# Altium PCB Tag201_GangProgrammerRev2.PcbDoc (part 4 of 7)
Units mil, origin at the board's own origin, x right, y up, seen from the top; angles counter-clockwise.
Board outline 10400 x 10885 mil, 4 copper layers (Top Layer, VCC, GND, Bottom Layer), stack 67.2 mil thick; 831 components, 394 nets, 2486 pads, 638 vias.
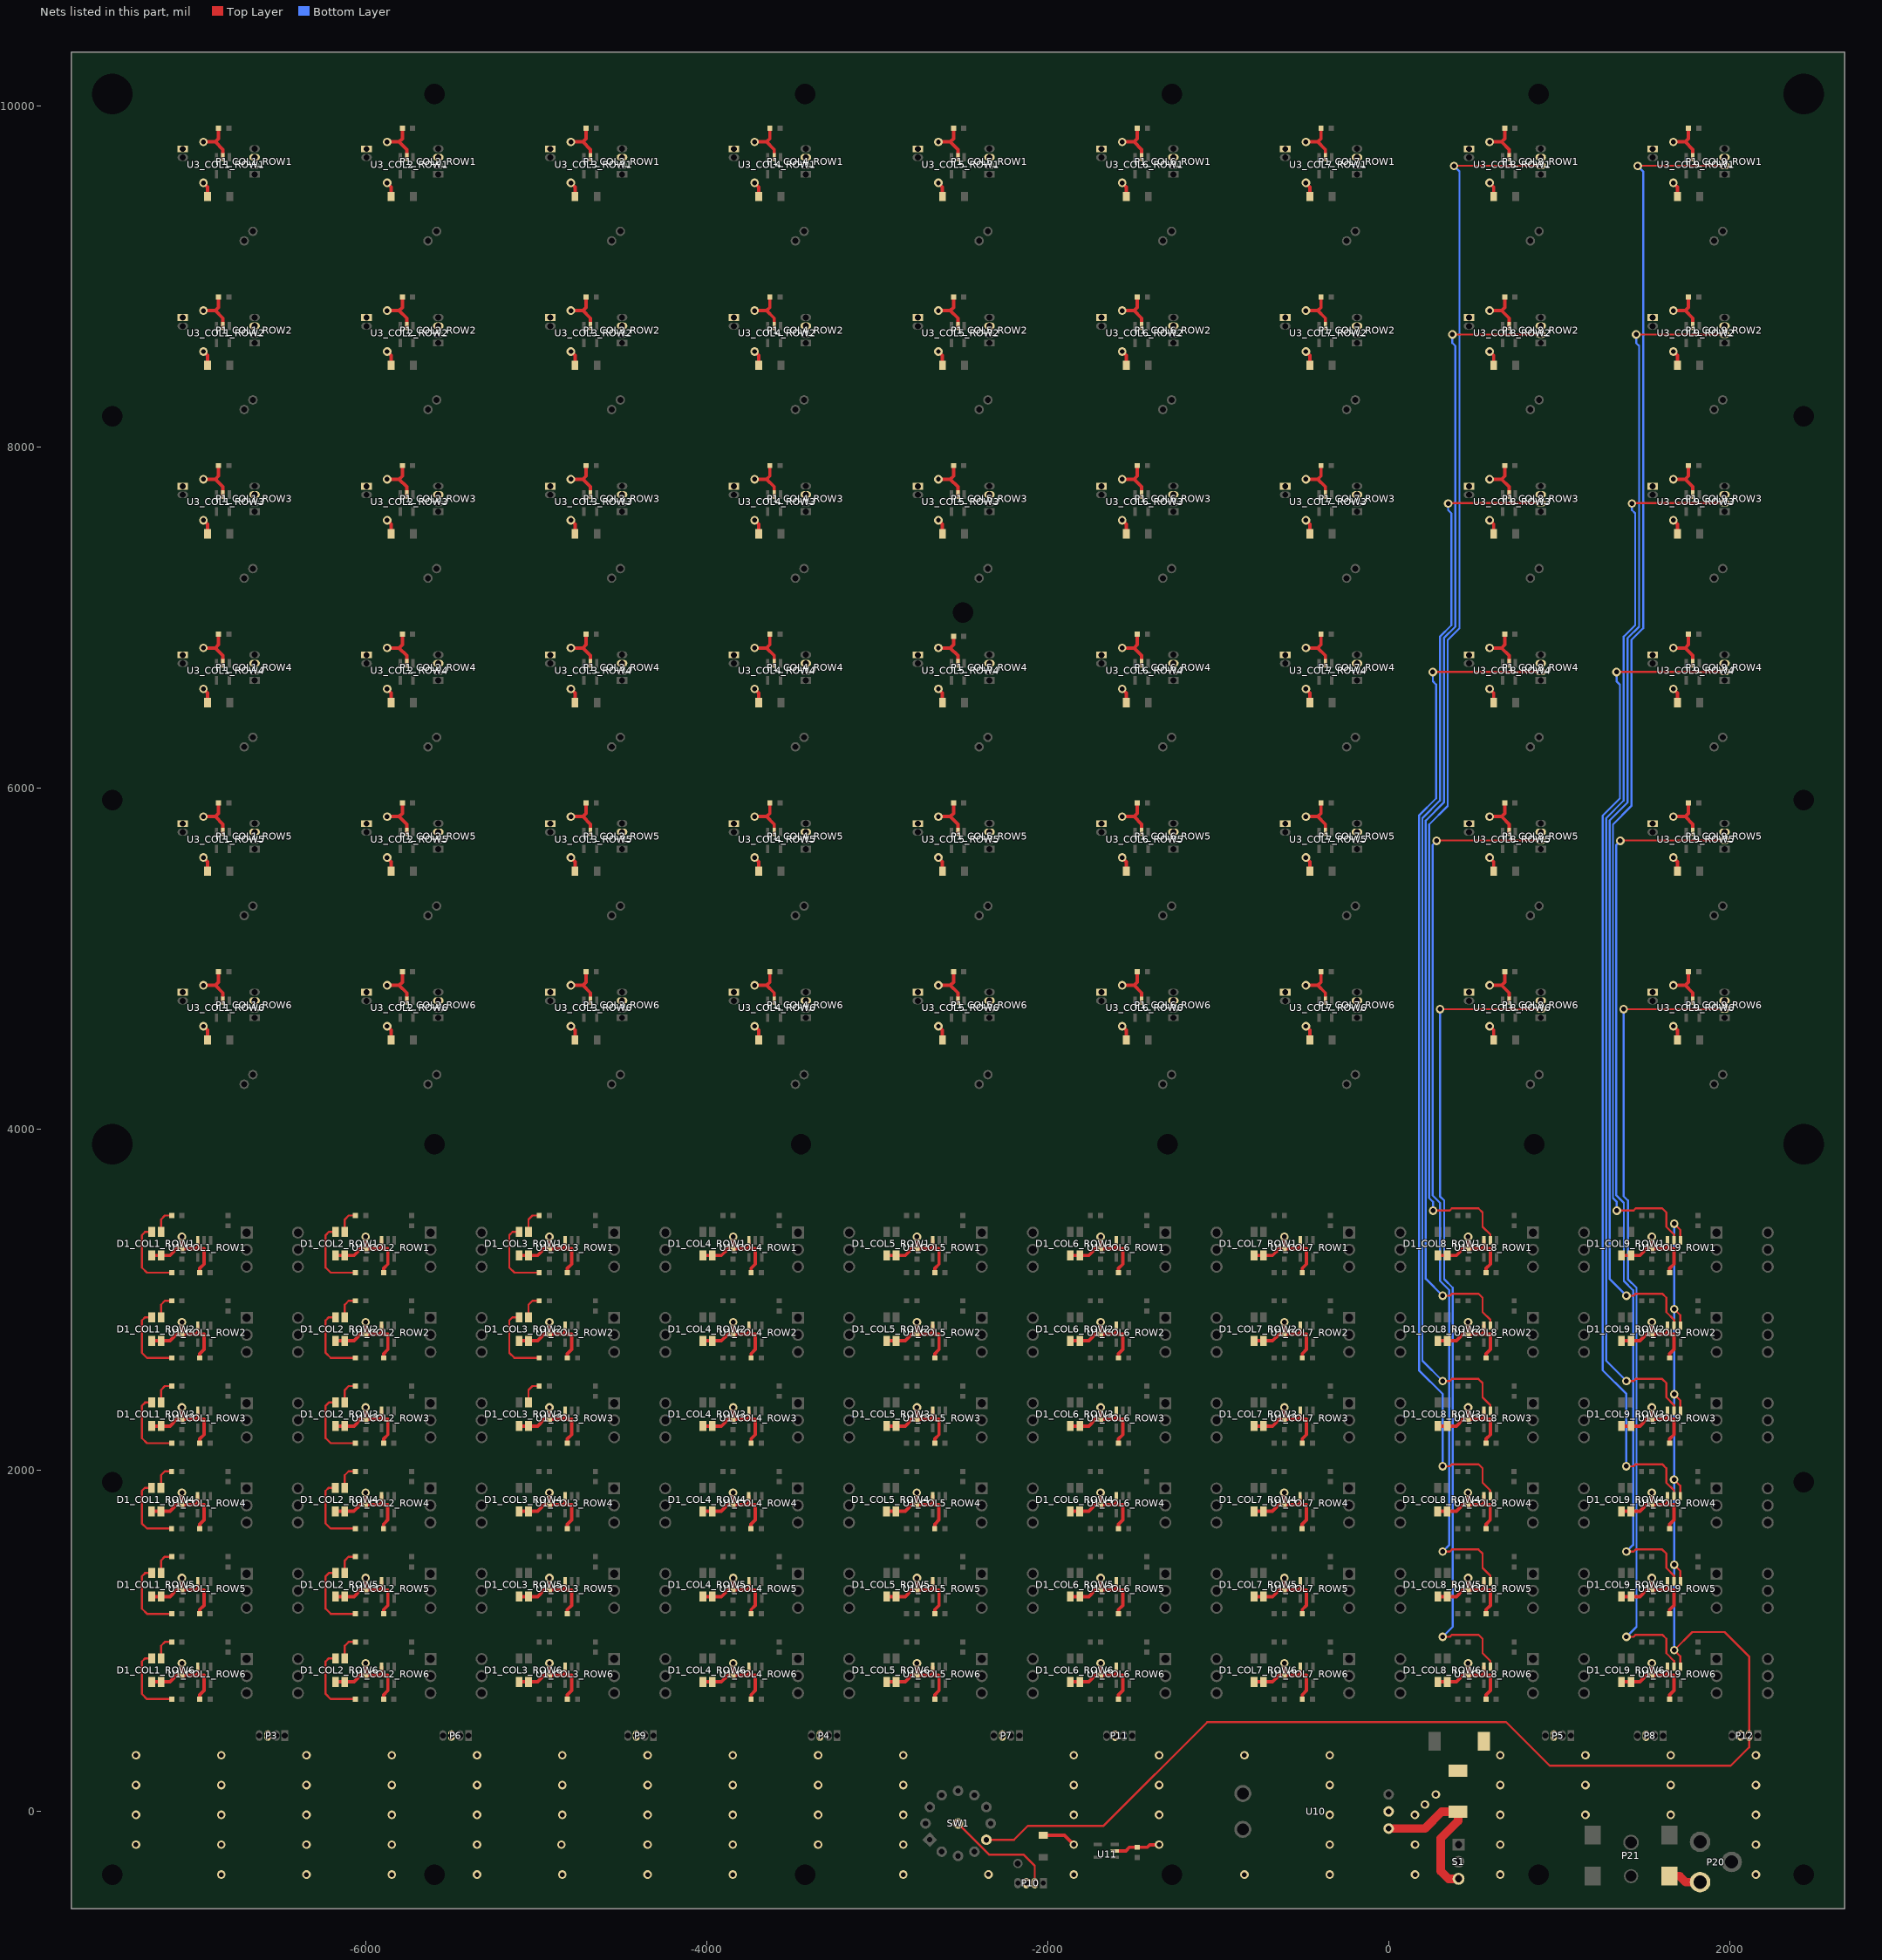
[diagram p6: the nets of this part, all layers, seen from the top]

## Via types
v1: diameter 50, hole 28, Top Layer to Bottom Layer, tented both sides, 638 vias

## Nets (pads, with @x,y where several pads share a name; then routed paths per layer and width w, separated by ;. In a path a pad name is that pad's centre, name@x,y a point inside that pad or via, vN(x,y) a via of type N, cw(c..) or ccw(c..) an arc to the next point about the centre after c; other vN are vias at no path point) (continued)
DEBUG_COL8_ROW1: P1_COL8_ROW1.2 U1_COL8_ROW1.2 | length 7217.1
  Top Layer w12: v1@260.5,3524 359,3524 371,3536 527,3536 551,3512 551,3428 596.5,3382.5 U1_COL8_ROW1.2@596.5,3349 ; v1@383,9649 P1_COL8_ROW1.2@892,9649
  Bottom Layer w12: v1(260.5,3523) 260.5,3574 238,3596.5 238,5787 346,5895 346,6868 415,6937 415,9616 v1(383,9648)
DEBUG_COL8_ROW2: P1_COL8_ROW2.2 U1_COL8_ROW2.2 | length 6704.5
  Top Layer w12: v1(317,3024) 359,3024 371,3036 527,3036 551,3012 551,2928 596.5,2882.5 U1_COL8_ROW2.2@596.5,2849 ; v1(374,8660) P1_COL8_ROW2.2@892,8660
  Bottom Layer w12: v1(317,3024) 218,3123 218,5810 324,5916 324,6880 391,6947 391,8593 374,8610 v1(374,8660)
DEBUG_COL8_ROW3: P1_COL8_ROW3.2 U1_COL8_ROW3.2 | length 6244.3
  Top Layer w12: v1(317,2524) 359,2524 371,2536 527,2536 551,2512 551,2428 596.5,2382.5 U1_COL8_ROW3.2@596.5,2349 ; v1@351,7671 P1_COL8_ROW3.2@892,7671
  Bottom Layer w12: v1(317,2524) 198,2643 198,5824 301,5927 301,6888 368,6955 368,7611 349,7630 v1(349,7669)
DEBUG_COL8_ROW4: P1_COL8_ROW4.2 U1_COL8_ROW4.2 | length 5827.2
  Top Layer w12: v1@260,6682 P1_COL8_ROW4.2@892,6682 ; v1(316.5,2024) 358.5,2024 370.5,2036 526.5,2036 550.5,2012 550.5,1928 596,1882.5 U1_COL8_ROW4.2@596,1849
  Bottom Layer w12: v1(259,6681) 259,6627 279,6607 279,5940 178,5839 178,2587 316.5,2448.5 v1(316.5,2024)
DEBUG_COL8_ROW5: P1_COL8_ROW5.2 U1_COL8_ROW5.2 | length 5273
  Top Layer w12: v1@283,5693 P1_COL8_ROW5.2@892,5693 ; v1(317,1524) 359,1524 371,1536 527,1536 551,1512 551,1428 596.5,1382.5 U1_COL8_ROW5.2@596.5,1349
  Bottom Layer w12: v1(281,5691) 258,5668 258,3611.5 301.5,3568 301.5,3110.5 356,3056 356,1563 v1(317,1524)
DEBUG_COL8_ROW6: P1_COL8_ROW6.2 U1_COL8_ROW6.2 | length 4757.3
  Top Layer w12: v1(301,4704) P1_COL8_ROW6.2@892,4704 ; v1(317,1024) 359,1024 371,1036 527,1036 551,1012 551,928 596.5,882.5 U1_COL8_ROW6.2@596.5,849
  Bottom Layer w12: v1(301,4704) 301,3606.5 325.5,3582 325.5,3121.5 376,3071 376,1083 v1(317,1024)
DEBUG_COL9: P12.2 SW1.9 U1_COL9_ROW1.1@1711,3349 U1_COL9_ROW2.1@1711,2849 U1_COL9_ROW3.1@1711,2349 U1_COL9_ROW4.1@1710.5,1849 U1_COL9_ROW5.1@1711,1349 U1_COL9_ROW6.1@1711,849 | length 9157.7
  Top Layer w12: SW1.9@-2359.13,-165.76 -2197.26,-165.76 -2115.5,-84 -1671.5,-84 -1063.5,524 689,524 945,268 2006,268 2114,376 P12.2@2114,445 2114,908.5 1970.5,1052 1780.5,1052 v1(1674.5,946) 1711,909.5 U1_COL9_ROW6.1@1711,849 ; v1(1674,1946) 1710.5,1909.5 U1_COL9_ROW4.1@1710.5,1849 ; v1(1674.5,1446) 1711,1409.5 U1_COL9_ROW5.1@1711,1349 ; v1(1674.5,2446) 1711,2409.5 U1_COL9_ROW3.1@1711,2349 ; v1(1674.5,2946) 1711,2909.5 U1_COL9_ROW2.1@1711,2849 ; v1(1674.5,3446) 1711,3409.5 U1_COL9_ROW1.1@1711,3349
  Bottom Layer w12: v1(1674.5,946) v1(1674.5,1446) v1(1674.5,2446) v1(1674.5,2946) v1(1674.5,3446)
DEBUG_COL9_ROW1: P1_COL9_ROW1.2 U1_COL9_ROW1.2 | length 7217.1
  Top Layer w12: v1@1338,3524 1436.5,3524 1448.5,3536 1604.5,3536 1628.5,3512 1628.5,3428 1674,3382.5 U1_COL9_ROW1.2@1674,3349 ; v1@1460.5,9649 P1_COL9_ROW1.2@1969.5,9649
  Bottom Layer w12: v1(1338,3523) 1338,3574 1315.5,3596.5 1315.5,5787 1423.5,5895 1423.5,6868 1492.5,6937 1492.5,9616 v1(1460.5,9648)
DEBUG_COL9_ROW2: P1_COL9_ROW2.2 U1_COL9_ROW2.2 | length 6704.5
  Top Layer w12: v1(1394.5,3024) 1436.5,3024 1448.5,3036 1604.5,3036 1628.5,3012 1628.5,2928 1674,2882.5 U1_COL9_ROW2.2@1674,2849 ; v1(1451.5,8660) P1_COL9_ROW2.2@1969.5,8660
  Bottom Layer w12: v1(1394.5,3024) 1295.5,3123 1295.5,5810 1401.5,5916 1401.5,6880 1468.5,6947 1468.5,8593 1451.5,8610 v1(1451.5,8660)
DEBUG_COL9_ROW3: P1_COL9_ROW3.2 U1_COL9_ROW3.2 | length 6244.3
  Top Layer w12: v1(1394.5,2524) 1436.5,2524 1448.5,2536 1604.5,2536 1628.5,2512 1628.5,2428 1674,2382.5 U1_COL9_ROW3.2@1674,2349 ; v1@1428.5,7671 P1_COL9_ROW3.2@1969.5,7671
  Bottom Layer w12: v1(1394.5,2524) 1275.5,2643 1275.5,5824 1378.5,5927 1378.5,6888 1445.5,6955 1445.5,7611 1426.5,7630 v1(1426.5,7669)
DEBUG_COL9_ROW4: P1_COL9_ROW4.2 U1_COL9_ROW4.2 | length 5827.2
  Top Layer w12: v1@1337.5,6682 P1_COL9_ROW4.2@1969.5,6682 ; v1(1394,2024) 1436,2024 1448,2036 1604,2036 1628,2012 1628,1928 1673.5,1882.5 U1_COL9_ROW4.2@1673.5,1849
  Bottom Layer w12: v1(1336.5,6681) 1336.5,6627 1356.5,6607 1356.5,5940 1255.5,5839 1255.5,2587 1394,2448.5 v1(1394,2024)
DEBUG_COL9_ROW5: P1_COL9_ROW5.2 U1_COL9_ROW5.2 | length 5273
  Top Layer w12: v1@1360.5,5693 P1_COL9_ROW5.2@1969.5,5693 ; v1(1394.5,1524) 1436.5,1524 1448.5,1536 1604.5,1536 1628.5,1512 1628.5,1428 1674,1382.5 U1_COL9_ROW5.2@1674,1349
  Bottom Layer w12: v1(1358.5,5691) 1335.5,5668 1335.5,3611.5 1379,3568 1379,3110.5 1433.5,3056 1433.5,1563 v1(1394.5,1524)
DEBUG_COL9_ROW6: P1_COL9_ROW6.2 U1_COL9_ROW6.2 | length 4757.3
  Top Layer w12: v1(1378.5,4704) P1_COL9_ROW6.2@1969.5,4704 ; v1(1394.5,1024) 1436.5,1024 1448.5,1036 1604.5,1036 1628.5,1012 1628.5,928 1674,882.5 U1_COL9_ROW6.2@1674,849
  Bottom Layer w12: v1(1378.5,4704) 1378.5,3606.5 1403,3582 1403,3121.5 1453.5,3071 1453.5,1083 v1(1394.5,1024)
DEBUG_DRV_3: P10.2 SW1.0 | length 654.4
  Top Layer w12: SW1.0@-2525,-70 -2341,-254 -2139.5,-254 -2075,-318.5 P10.2@-2075,-420
GND: C1_COL1_ROW1.2 C1_COL1_ROW2.2 C1_COL1_ROW3.2 C1_COL1_ROW4.2 C1_COL1_ROW5.2 C1_COL1_ROW6.2 C1_COL2_ROW1.2 C1_COL2_ROW2.2 C1_COL2_ROW3.2 C1_COL2_ROW4.2 C1_COL2_ROW5.2 C1_COL2_ROW6.2 C1_COL3_ROW1.2 C1_COL3_ROW2.2 C1_COL3_ROW3.2 C1_COL3_ROW4.2 C1_COL3_ROW5.2 C1_COL3_ROW6.2 C1_COL4_ROW1.2 C1_COL4_ROW2.2 C1_COL4_ROW3.2 C1_COL4_ROW4.2 C1_COL4_ROW5.2 C1_COL4_ROW6.2 C1_COL5_ROW1.2 C1_COL5_ROW2.2 C1_COL5_ROW3.2 C1_COL5_ROW4.2 C1_COL5_ROW5.2 C1_COL5_ROW6.2 C1_COL6_ROW1.2 C1_COL6_ROW2.2 C1_COL6_ROW3.2 C1_COL6_ROW4.2 C1_COL6_ROW5.2 C1_COL6_ROW6.2 C1_COL7_ROW1.2 C1_COL7_ROW2.2 C1_COL7_ROW3.2 C1_COL7_ROW4.2 C1_COL7_ROW5.2 C1_COL7_ROW6.2 C1_COL8_ROW1.2 C1_COL8_ROW2.2 C1_COL8_ROW3.2 C1_COL8_ROW4.2 C1_COL8_ROW5.2 C1_COL8_ROW6.2 C1_COL9_ROW1.2 C1_COL9_ROW2.2 C1_COL9_ROW3.2 C1_COL9_ROW4.2 C1_COL9_ROW5.2 C1_COL9_ROW6.2 C2_COL1_ROW1.2 C2_COL1_ROW2.2 C2_COL1_ROW3.2 C2_COL1_ROW4.2 C2_COL1_ROW5.2 C2_COL1_ROW6.2 C2_COL2_ROW1.2 C2_COL2_ROW2.2 C2_COL2_ROW3.2 C2_COL2_ROW4.2 C2_COL2_ROW5.2 C2_COL2_ROW6.2 C2_COL3_ROW1.2 C2_COL3_ROW2.2 C2_COL3_ROW3.2 C2_COL3_ROW4.2 C2_COL3_ROW5.2 C2_COL3_ROW6.2 C2_COL4_ROW1.2 C2_COL4_ROW2.2 C2_COL4_ROW3.2 C2_COL4_ROW4.2 C2_COL4_ROW5.2 C2_COL4_ROW6.2 C2_COL5_ROW1.2 C2_COL5_ROW2.2 C2_COL5_ROW3.2 C2_COL5_ROW4.2 C2_COL5_ROW5.2 C2_COL5_ROW6.2 C2_COL6_ROW1.2 C2_COL6_ROW2.2 C2_COL6_ROW3.2 C2_COL6_ROW4.2 C2_COL6_ROW5.2 C2_COL6_ROW6.2 C2_COL7_ROW1.2 C2_COL7_ROW2.2 C2_COL7_ROW3.2 C2_COL7_ROW4.2 C2_COL7_ROW5.2 C2_COL7_ROW6.2 C2_COL8_ROW1.2 C2_COL8_ROW2.2 C2_COL8_ROW3.2 C2_COL8_ROW4.2 C2_COL8_ROW5.2 C2_COL8_ROW6.2 C2_COL9_ROW1.2 C2_COL9_ROW2.2 C2_COL9_ROW3.2 C2_COL9_ROW4.2 C2_COL9_ROW5.2 C2_COL9_ROW6.2 C3_COL1_ROW1.2 C3_COL1_ROW2.2 C3_COL1_ROW3.2 C3_COL1_ROW4.2 C3_COL1_ROW5.2 C3_COL1_ROW6.2 C3_COL2_ROW1.2 C3_COL2_ROW2.2 C3_COL2_ROW3.2 C3_COL2_ROW4.2 C3_COL2_ROW5.2 C3_COL2_ROW6.2 C3_COL3_ROW1.2 C3_COL3_ROW2.2 C3_COL3_ROW3.2 C3_COL3_ROW4.2 C3_COL3_ROW5.2 C3_COL3_ROW6.2 C3_COL4_ROW1.2 C3_COL4_ROW2.2 C3_COL4_ROW3.2 C3_COL4_ROW4.2 C3_COL4_ROW5.2 C3_COL4_ROW6.2 C3_COL5_ROW1.2 C3_COL5_ROW2.2 C3_COL5_ROW3.2 C3_COL5_ROW4.2 C3_COL5_ROW5.2 C3_COL5_ROW6.2 C3_COL6_ROW1.2 C3_COL6_ROW2.2 C3_COL6_ROW3.2 C3_COL6_ROW4.2 C3_COL6_ROW5.2 C3_COL6_ROW6.2 C3_COL7_ROW1.2 C3_COL7_ROW2.2 C3_COL7_ROW3.2 C3_COL7_ROW4.2 C3_COL7_ROW5.2 C3_COL7_ROW6.2 C3_COL8_ROW1.2 C3_COL8_ROW2.2 C3_COL8_ROW3.2 C3_COL8_ROW4.2 C3_COL8_ROW5.2 C3_COL8_ROW6.2 C3_COL9_ROW1.2 C3_COL9_ROW2.2 C3_COL9_ROW3.2 C3_COL9_ROW4.2 C3_COL9_ROW5.2 C3_COL9_ROW6.2 C10.2 C11.2 C12.2 C13.2 D1_COL1_ROW1.3 D1_COL1_ROW1.4 D1_COL1_ROW2.3 D1_COL1_ROW2.4 D1_COL1_ROW3.3 D1_COL1_ROW3.4 D1_COL1_ROW4.3 D1_COL1_ROW4.4 D1_COL1_ROW5.3 D1_COL1_ROW5.4 D1_COL1_ROW6.3 D1_COL1_ROW6.4 D1_COL2_ROW1.3 D1_COL2_ROW1.4 D1_COL2_ROW2.3 D1_COL2_ROW2.4 D1_COL2_ROW3.3 D1_COL2_ROW3.4 D1_COL2_ROW4.3 D1_COL2_ROW4.4 D1_COL2_ROW5.3 D1_COL2_ROW5.4 D1_COL2_ROW6.3 D1_COL2_ROW6.4 D1_COL3_ROW1.3 D1_COL3_ROW1.4 D1_COL3_ROW2.3 D1_COL3_ROW2.4 D1_COL3_ROW3.3 D1_COL3_ROW3.4 D1_COL3_ROW4.3 D1_COL3_ROW4.4 D1_COL3_ROW5.3 D1_COL3_ROW5.4 D1_COL3_ROW6.3 D1_COL3_ROW6.4 D1_COL4_ROW1.3 D1_COL4_ROW1.4 D1_COL4_ROW2.3 D1_COL4_ROW2.4 D1_COL4_ROW3.3 D1_COL4_ROW3.4 D1_COL4_ROW4.3 D1_COL4_ROW4.4 D1_COL4_ROW5.3 D1_COL4_ROW5.4 D1_COL4_ROW6.3 D1_COL4_ROW6.4 D1_COL5_ROW1.3 D1_COL5_ROW1.4 D1_COL5_ROW2.3 D1_COL5_ROW2.4 D1_COL5_ROW3.3 D1_COL5_ROW3.4 D1_COL5_ROW4.3 D1_COL5_ROW4.4 D1_COL5_ROW5.3 D1_COL5_ROW5.4 D1_COL5_ROW6.3 D1_COL5_ROW6.4 D1_COL6_ROW1.3 D1_COL6_ROW1.4 D1_COL6_ROW2.3 D1_COL6_ROW2.4 D1_COL6_ROW3.3 D1_COL6_ROW3.4 D1_COL6_ROW4.3 D1_COL6_ROW4.4 D1_COL6_ROW5.3 D1_COL6_ROW5.4 D1_COL6_ROW6.3 D1_COL6_ROW6.4 D1_COL7_ROW1.3 D1_COL7_ROW1.4 D1_COL7_ROW2.3 D1_COL7_ROW2.4 D1_COL7_ROW3.3 D1_COL7_ROW3.4 D1_COL7_ROW4.3 D1_COL7_ROW4.4 D1_COL7_ROW5.3 D1_COL7_ROW5.4 D1_COL7_ROW6.3 D1_COL7_ROW6.4 D1_COL8_ROW1.3 D1_COL8_ROW1.4 D1_COL8_ROW2.3 D1_COL8_ROW2.4 D1_COL8_ROW3.3 D1_COL8_ROW3.4 D1_COL8_ROW4.3 D1_COL8_ROW4.4 D1_COL8_ROW5.3 D1_COL8_ROW5.4 D1_COL8_ROW6.3 D1_COL8_ROW6.4 D1_COL9_ROW1.3 D1_COL9_ROW1.4 D1_COL9_ROW2.3 D1_COL9_ROW2.4 D1_COL9_ROW3.3 D1_COL9_ROW3.4 D1_COL9_ROW4.3 D1_COL9_ROW4.4 D1_COL9_ROW5.3 D1_COL9_ROW5.4 D1_COL9_ROW6.3 D1_COL9_ROW6.4 P1_COL1_ROW1.3 P1_COL1_ROW2.3 P1_COL1_ROW3.3 P1_COL1_ROW4.3 P1_COL1_ROW5.3 P1_COL1_ROW6.3 P1_COL2_ROW1.3 P1_COL2_ROW2.3 P1_COL2_ROW3.3 P1_COL2_ROW4.3 P1_COL2_ROW5.3 P1_COL2_ROW6.3 P1_COL3_ROW1.3 P1_COL3_ROW2.3 P1_COL3_ROW3.3 P1_COL3_ROW4.3 P1_COL3_ROW5.3 P1_COL3_ROW6.3 P1_COL4_ROW1.3 P1_COL4_ROW2.3 P1_COL4_ROW3.3 P1_COL4_ROW4.3 P1_COL4_ROW5.3 P1_COL4_ROW6.3 P1_COL5_ROW1.3 P1_COL5_ROW2.3 P1_COL5_ROW3.3 P1_COL5_ROW4.3 P1_COL5_ROW5.3 P1_COL5_ROW6.3 P1_COL6_ROW1.3 P1_COL6_ROW2.3 P1_COL6_ROW3.3 P1_COL6_ROW4.3 P1_COL6_ROW5.3 P1_COL6_ROW6.3 P1_COL7_ROW1.3 P1_COL7_ROW2.3 P1_COL7_ROW3.3 P1_COL7_ROW4.3 P1_COL7_ROW5.3 P1_COL7_ROW6.3 P1_COL8_ROW1.3 P1_COL8_ROW2.3 P1_COL8_ROW3.3 P1_COL8_ROW4.3 P1_COL8_ROW5.3 P1_COL8_ROW6.3 P1_COL9_ROW1.3 P1_COL9_ROW2.3 P1_COL9_ROW3.3 P1_COL9_ROW4.3 P1_COL9_ROW5.3 P1_COL9_ROW6.3 P2_COL1_ROW1.1 P2_COL1_ROW2.1 P2_COL1_ROW3.1 P2_COL1_ROW4.1 P2_COL1_ROW5.1 P2_COL1_ROW6.1 P2_COL2_ROW1.1 P2_COL2_ROW2.1 P2_COL2_ROW3.1 P2_COL2_ROW4.1 P2_COL2_ROW5.1 P2_COL2_ROW6.1 P2_COL3_ROW1.1 P2_COL3_ROW2.1 P2_COL3_ROW3.1 P2_COL3_ROW4.1 P2_COL3_ROW5.1 P2_COL3_ROW6.1 P2_COL4_ROW1.1 P2_COL4_ROW2.1 P2_COL4_ROW3.1 P2_COL4_ROW4.1 P2_COL4_ROW5.1 P2_COL4_ROW6.1 P2_COL5_ROW1.1 P2_COL5_ROW2.1 P2_COL5_ROW3.1 P2_COL5_ROW4.1 P2_COL5_ROW5.1 P2_COL5_ROW6.1 P2_COL6_ROW1.1 P2_COL6_ROW2.1 P2_COL6_ROW3.1 P2_COL6_ROW4.1 P2_COL6_ROW5.1 P2_COL6_ROW6.1 P2_COL7_ROW1.1 P2_COL7_ROW2.1 P2_COL7_ROW3.1 P2_COL7_ROW4.1 P2_COL7_ROW5.1 P2_COL7_ROW6.1 P2_COL8_ROW1.1 P2_COL8_ROW2.1 P2_COL8_ROW3.1 P2_COL8_ROW4.1 P2_COL8_ROW5.1 P2_COL8_ROW6.1 P2_COL9_ROW1.1 P2_COL9_ROW2.1 P2_COL9_ROW3.1 P2_COL9_ROW4.1 P2_COL9_ROW5.1 P2_COL9_ROW6.1 P3.3 P4.3 P5.3 P6.3 P7.3 P8.3 P9.3 P10.3 P11.3 P12.3 P20.3 P21.2 R3_COL1_ROW1.1 R3_COL1_ROW2.1 R3_COL1_ROW3.1 R3_COL1_ROW4.1 R3_COL1_ROW5.1 R3_COL1_ROW6.1 R3_COL2_ROW1.1 R3_COL2_ROW2.1 R3_COL2_ROW3.1 R3_COL2_ROW4.1 R3_COL2_ROW5.1 R3_COL2_ROW6.1 R3_COL3_ROW1.1 R3_COL3_ROW2.1 R3_COL3_ROW3.1 R3_COL3_ROW4.1 R3_COL3_ROW5.1 R3_COL3_ROW6.1 R3_COL4_ROW1.1 R3_COL4_ROW2.1 R3_COL4_ROW3.1 R3_COL4_ROW4.1 R3_COL4_ROW5.1 R3_COL4_ROW6.1 R3_COL5_ROW1.1 R3_COL5_ROW2.1 R3_COL5_ROW3.1 R3_COL5_ROW4.1 R3_COL5_ROW5.1 R3_COL5_ROW6.1 R3_COL6_ROW1.1 R3_COL6_ROW2.1 R3_COL6_ROW3.1 R3_COL6_ROW4.1 R3_COL6_ROW5.1 R3_COL6_ROW6.1 R3_COL7_ROW1.1 R3_COL7_ROW2.1 R3_COL7_ROW3.1 R3_COL7_ROW4.1 R3_COL7_ROW5.1 R3_COL7_ROW6.1 R3_COL8_ROW1.1 R3_COL8_ROW2.1 R3_COL8_ROW3.1 R3_COL8_ROW4.1 R3_COL8_ROW5.1 R3_COL8_ROW6.1 R3_COL9_ROW1.1 R3_COL9_ROW2.1 R3_COL9_ROW3.1 R3_COL9_ROW4.1 R3_COL9_ROW5.1 R3_COL9_ROW6.1 U1_COL1_ROW1.3 U1_COL1_ROW2.3 U1_COL1_ROW3.3 U1_COL1_ROW4.3 U1_COL1_ROW5.3 U1_COL1_ROW6.3 U1_COL2_ROW1.3 U1_COL2_ROW2.3 U1_COL2_ROW3.3 U1_COL2_ROW4.3 U1_COL2_ROW5.3 U1_COL2_ROW6.3 U1_COL3_ROW1.3 U1_COL3_ROW2.3 U1_COL3_ROW3.3 U1_COL3_ROW4.3 U1_COL3_ROW5.3 U1_COL3_ROW6.3 U1_COL4_ROW1.3 U1_COL4_ROW2.3 U1_COL4_ROW3.3 U1_COL4_ROW4.3 U1_COL4_ROW5.3 U1_COL4_ROW6.3 U1_COL5_ROW1.3 U1_COL5_ROW2.3 U1_COL5_ROW3.3 U1_COL5_ROW4.3 U1_COL5_ROW5.3 U1_COL5_ROW6.3 U1_COL6_ROW1.3 U1_COL6_ROW2.3 U1_COL6_ROW3.3 U1_COL6_ROW4.3 U1_COL6_ROW5.3 U1_COL6_ROW6.3 U1_COL7_ROW1.3 U1_COL7_ROW2.3 U1_COL7_ROW3.3 U1_COL7_ROW4.3 U1_COL7_ROW5.3 U1_COL7_ROW6.3 U1_COL8_ROW1.3 U1_COL8_ROW2.3 U1_COL8_ROW3.3 U1_COL8_ROW4.3 U1_COL8_ROW5.3 U1_COL8_ROW6.3 U1_COL9_ROW1.3 U1_COL9_ROW2.3 U1_COL9_ROW3.3 U1_COL9_ROW4.3 U1_COL9_ROW5.3 U1_COL9_ROW6.3 U3_COL1_ROW1.2 U3_COL1_ROW2.2 U3_COL1_ROW3.2 U3_COL1_ROW4.2 U3_COL1_ROW5.2 U3_COL1_ROW6.2 U3_COL2_ROW1.2 U3_COL2_ROW2.2 U3_COL2_ROW3.2 U3_COL2_ROW4.2 U3_COL2_ROW5.2 U3_COL2_ROW6.2 U3_COL3_ROW1.2 U3_COL3_ROW2.2 U3_COL3_ROW3.2 U3_COL3_ROW4.2 U3_COL3_ROW5.2 U3_COL3_ROW6.2 U3_COL4_ROW1.2 U3_COL4_ROW2.2 U3_COL4_ROW3.2 U3_COL4_ROW4.2 U3_COL4_ROW5.2 U3_COL4_ROW6.2 U3_COL5_ROW1.2 U3_COL5_ROW2.2 U3_COL5_ROW3.2 U3_COL5_ROW4.2 U3_COL5_ROW5.2 U3_COL5_ROW6.2 U3_COL6_ROW1.2 U3_COL6_ROW2.2 U3_COL6_ROW3.2 U3_COL6_ROW4.2 U3_COL6_ROW5.2 U3_COL6_ROW6.2 U3_COL7_ROW1.2 U3_COL7_ROW2.2 U3_COL7_ROW3.2 U3_COL7_ROW4.2 U3_COL7_ROW5.2 U3_COL7_ROW6.2 U3_COL8_ROW1.2 U3_COL8_ROW2.2 U3_COL8_ROW3.2 U3_COL8_ROW4.2 U3_COL8_ROW5.2 U3_COL8_ROW6.2 U3_COL9_ROW1.2 U3_COL9_ROW2.2 U3_COL9_ROW3.2 U3_COL9_ROW4.2 U3_COL9_ROW5.2 U3_COL9_ROW6.2 U10.2 U11.2 | length 51838.4